# Altium PCB Evaluation Board.PcbDoc (part 2 of 22)
Units mm, origin at the board's own origin, x right, y up, seen from the top; angles counter-clockwise.
Board outline 200 x 200 mm, 4 copper layers (Top Layer, GND, Power, Bottom Layer), stack 1.56 mm thick; 639 components, 758 nets, 3043 pads, 1306 vias.
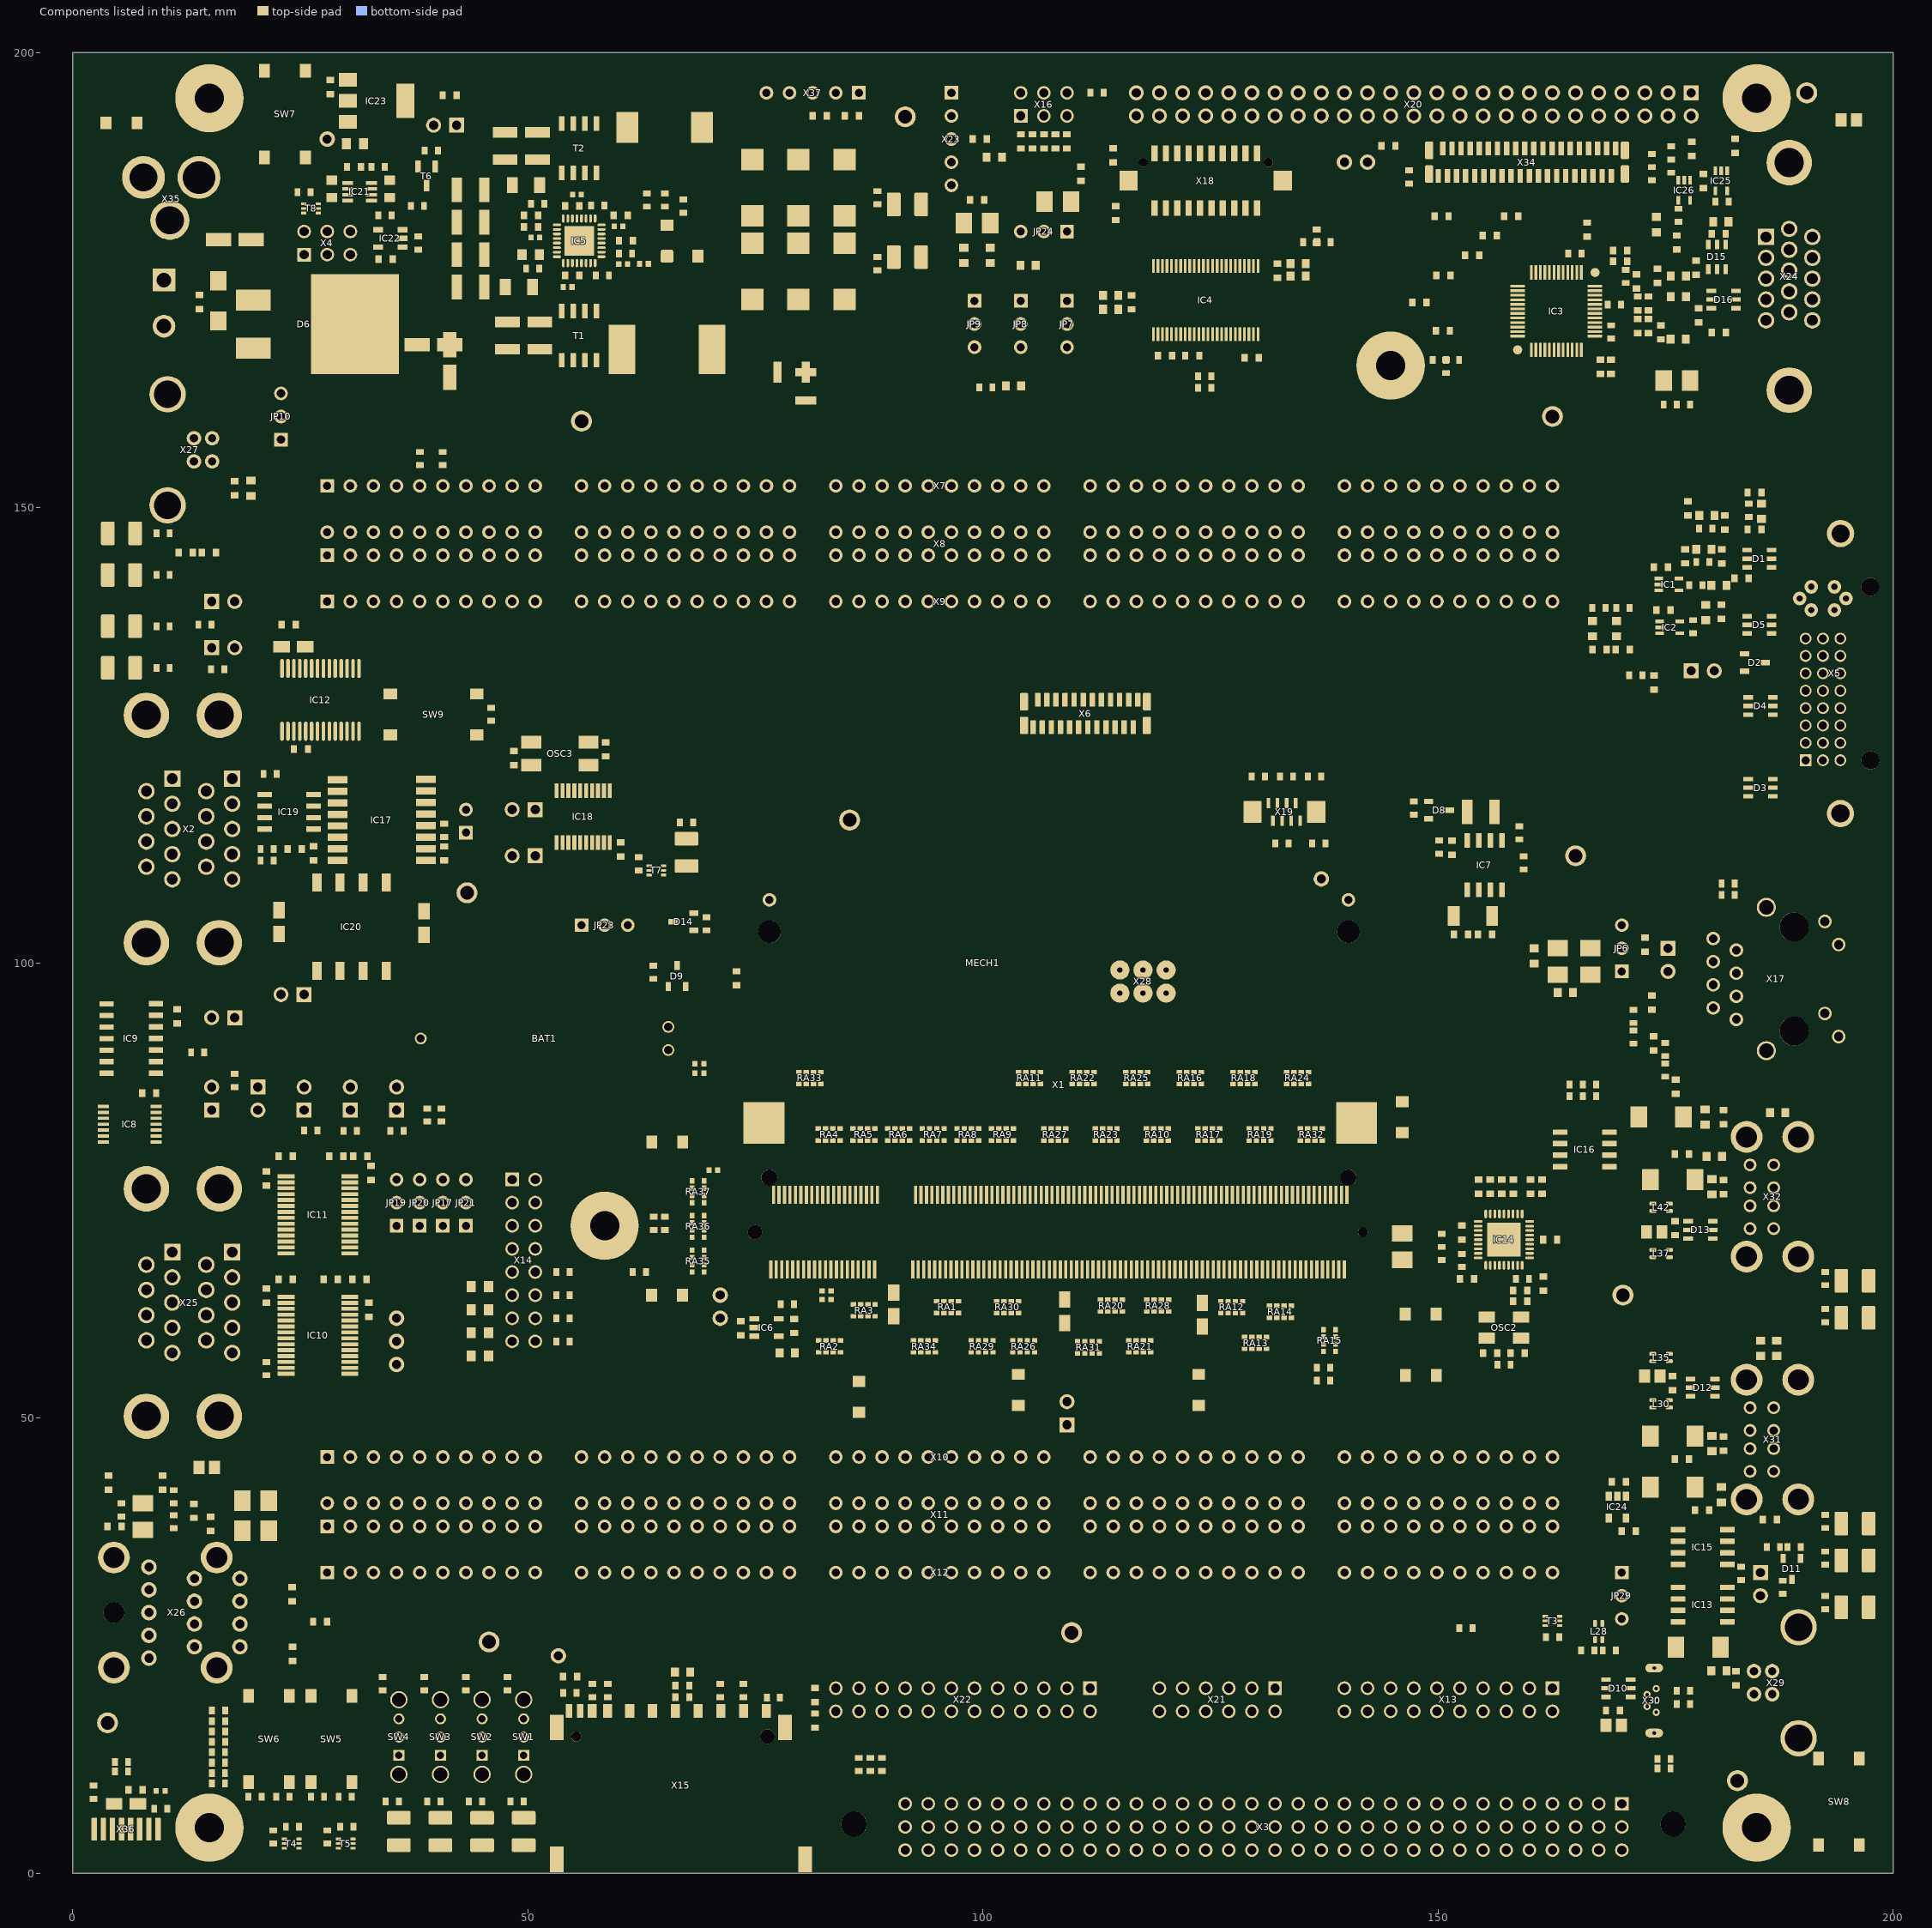
[diagram p4: the components of this part, seen from the top]

## Footprints (in the part's own frame and the unit in brackets; to place one, negate y for a bottom-side part, rotate by r counter-clockwise, add the part's x,y. Pads: shape width x height; smd on the part's side, far side on the other; paste and mask are expansions set on the pad) (continued)
QFP50P900X900X120-48N [mm]
  rect 1.6x0.3 smd: 1(-4.25,2.75) 2(-4.25,2.25) 3(-4.25,1.75) 4(-4.25,1.25) 5(-4.25,0.75) 6(-4.25,0.25) 7(-4.25,-0.25) 8(-4.25,-0.75) 9(-4.25,-1.25) 10(-4.25,-1.75) 11(-4.25,-2.25) 12(-4.25,-2.75) 25(4.25,-2.75) 26(4.25,-2.25) 27(4.25,-1.75) 28(4.25,-1.25) 29(4.25,-0.75) 30(4.25,-0.25) 31(4.25,0.25) 32(4.25,0.75) 33(4.25,1.25) 34(4.25,1.75) 35(4.25,2.25) 36(4.25,2.75)
  rect 0.3x1.6 smd: 13(-2.75,-4.25) 14(-2.25,-4.25) 15(-1.75,-4.25) 16(-1.25,-4.25) 17(-0.75,-4.25) 18(-0.25,-4.25) 19(0.25,-4.25) 20(0.75,-4.25) 21(1.25,-4.25) 22(1.75,-4.25) 23(2.25,-4.25) 24(2.75,-4.25) 37(2.75,4.25) 38(2.25,4.25) 39(1.75,4.25) 40(1.25,4.25) 41(0.75,4.25) 42(0.25,4.25) 43(-0.25,4.25) 44(-0.75,4.25) 45(-1.25,4.25) 46(-1.75,4.25) 47(-2.25,4.25) 48(-2.75,4.25)
  round 1 smd paste-1 mask+0: 49(-4.25,-4.25) 50(4.25,4.25)
  Top Layer pour cut-out: 5.25,4.25 5.249,4.306 5.244,4.362 5.236,4.418 5.225,4.473 5.211,4.527 5.194,4.58 5.174,4.633 5.151,4.684 5.126,4.734 5.097,4.782 5.066,4.829 5.032,4.874 4.996,4.917 4.957,4.957 4.917,4.996 4.874,5.032 4.829,5.066 4.782,5.097 4.734,5.126 4.684,5.151 4.633,5.174 4.58,5.194 4.527,5.211 4.473,5.225 4.418,5.236 4.362,5.244 4.306,5.249 4.25,5.25 4.194,5.249 4.138,5.244 4.082,5.236 4.027,5.225 3.973,5.211 3.92,5.194 3.867,5.174 3.816,5.151 3.766,5.126 3.718,5.097 3.671,5.066 3.626,5.032 3.583,4.996 3.543,4.957 3.504,4.917 3.468,4.874 3.434,4.829 3.403,4.782 3.374,4.734 3.349,4.684 3.326,4.633 3.306,4.58 3.289,4.527 3.275,4.473 3.264,4.418 3.256,4.362 3.251,4.306 3.25,4.25 3.251,4.194 3.256,4.138 3.264,4.082 3.275,4.027 3.289,3.973 3.306,3.92 3.326,3.867 3.349,3.816 3.374,3.766 3.403,3.718 3.434,3.671 3.468,3.626 3.504,3.583 3.543,3.543 3.583,3.504 3.626,3.468 3.671,3.434 3.718,3.403 3.766,3.374 3.816,3.349 3.867,3.326 3.92,3.306 3.973,3.289 4.027,3.275 4.082,3.264 4.138,3.256 4.194,3.251 4.25,3.25 4.306,3.251 4.362,3.256 4.418,3.264 4.473,3.275 4.527,3.289 4.58,3.306 4.633,3.326 4.684,3.349 4.734,3.374 4.782,3.403 4.829,3.434 4.874,3.468 4.917,3.504 4.957,3.543 4.996,3.583 5.032,3.626 5.066,3.671 5.097,3.718 5.126,3.766 5.151,3.816 5.174,3.867 5.194,3.92 5.211,3.973 5.225,4.027 5.236,4.082 5.244,4.138 5.249,4.194
  Top Layer pour cut-out: -3.25,-4.25 -3.251,-4.194 -3.256,-4.138 -3.264,-4.082 -3.275,-4.027 -3.289,-3.973 -3.306,-3.92 -3.326,-3.867 -3.349,-3.816 -3.374,-3.766 -3.403,-3.718 -3.434,-3.671 -3.468,-3.626 -3.504,-3.583 -3.543,-3.543 -3.583,-3.504 -3.626,-3.468 -3.671,-3.434 -3.718,-3.403 -3.766,-3.374 -3.816,-3.349 -3.867,-3.326 -3.92,-3.306 -3.973,-3.289 -4.027,-3.275 -4.082,-3.264 -4.138,-3.256 -4.194,-3.251 -4.25,-3.25 -4.306,-3.251 -4.362,-3.256 -4.418,-3.264 -4.473,-3.275 -4.527,-3.289 -4.58,-3.306 -4.633,-3.326 -4.684,-3.349 -4.734,-3.374 -4.782,-3.403 -4.829,-3.434 -4.874,-3.468 -4.917,-3.504 -4.957,-3.543 -4.996,-3.583 -5.032,-3.626 -5.066,-3.671 -5.097,-3.718 -5.126,-3.766 -5.151,-3.816 -5.174,-3.867 -5.194,-3.92 -5.211,-3.973 -5.225,-4.027 -5.236,-4.082 -5.244,-4.138 -5.249,-4.194 -5.25,-4.25 -5.249,-4.306 -5.244,-4.362 -5.236,-4.418 -5.225,-4.473 -5.211,-4.527 -5.194,-4.58 -5.174,-4.633 -5.151,-4.684 -5.126,-4.734 -5.097,-4.782 -5.066,-4.829 -5.032,-4.874 -4.996,-4.917 -4.957,-4.957 -4.917,-4.996 -4.874,-5.032 -4.829,-5.066 -4.782,-5.097 -4.734,-5.126 -4.684,-5.151 -4.633,-5.174 -4.58,-5.194 -4.527,-5.211 -4.473,-5.225 -4.418,-5.236 -4.362,-5.244 -4.306,-5.249 -4.25,-5.25 -4.194,-5.249 -4.138,-5.244 -4.082,-5.236 -4.027,-5.225 -3.973,-5.211 -3.92,-5.194 -3.867,-5.174 -3.816,-5.151 -3.766,-5.126 -3.718,-5.097 -3.671,-5.066 -3.626,-5.032 -3.583,-4.996 -3.543,-4.957 -3.504,-4.917 -3.468,-4.874 -3.434,-4.829 -3.403,-4.782 -3.374,-4.734 -3.349,-4.684 -3.326,-4.633 -3.306,-4.58 -3.289,-4.527 -3.275,-4.473 -3.264,-4.418 -3.256,-4.362 -3.251,-4.306
  silkscreen extent -4.92,-3.1 3.1,3.52, body extent -3.55,-3.55 3.55,3.55, height 1.6
RESC1005X40N [mm]
  rect 0.57x0.62 smd: 1(-0.48,0) 2(0.48,0)
  body extent -0.53,-0.28 0.53,0.28, height 0.35
RESC3316X76N [mm]
  rect 1.2x1.75 smd: 1(-1.5,0) 2(1.5,0)
  silkscreen extent -0.55,-0.8 0.55,0.8, body extent -1.73,-0.86 1.73,0.86, height 0.6
SOIC127P600X173-8N [mm]
  rect 1.6x0.6 smd: 1(-2.7,1.905) 2(-2.7,0.635) 3(-2.7,-0.635) 4(-2.7,-1.905) 5(2.7,-1.905) 6(2.7,-0.635) 7(2.7,0.635) 8(2.7,1.905)
  silkscreen extent -3.29,-2.45 1.57,2.61, body extent -2,-2.47 2,2.47, height 1.75
SOIC127P600X175-14N [mm] "SOIC 14 pin"
  rect 1.55x0.6 smd: 1(-2.7,3.8) 2(-2.7,2.53) 3(-2.7,1.26) 4(-2.7,-0.01) 5(-2.7,-1.28) 6(-2.7,-2.55) 7(-2.7,-3.82) 8(2.7,-3.8) 9(2.7,-2.53) 10(2.7,-1.26) 11(2.7,0.01) 12(2.7,1.28) 13(2.7,2.55) 14(2.7,3.82)
  silkscreen extent -4.01,-4.1 1.6,4.1, body extent -2,-4.38 2,4.38, height 1.6
SOP50P810X120-48N [mm]
  rect 1.5x0.3 smd: 1(-3.75,5.75) 2(-3.75,5.25) 3(-3.75,4.75) 4(-3.75,4.25) 5(-3.75,3.75) 6(-3.75,3.25) 7(-3.75,2.75) 8(-3.75,2.25) 9(-3.75,1.75) 10(-3.75,1.25) 11(-3.75,0.75) 12(-3.75,0.25) 13(-3.75,-0.25) 14(-3.75,-0.75) 15(-3.75,-1.25) 16(-3.75,-1.75) 17(-3.75,-2.25) 18(-3.75,-2.75) 19(-3.75,-3.25) 20(-3.75,-3.75) 21(-3.75,-4.25) 22(-3.75,-4.75) 23(-3.75,-5.25) 24(-3.75,-5.75) 25(3.75,-5.75) 26(3.75,-5.25) 27(3.75,-4.75) 28(3.75,-4.25) 29(3.75,-3.75) 30(3.75,-3.25) 31(3.75,-2.75) 32(3.75,-2.25) 33(3.75,-1.75) 34(3.75,-1.25) 35(3.75,-0.75) 36(3.75,-0.25) 37(3.75,0.25) 38(3.75,0.75) 39(3.75,1.25) 40(3.75,1.75) 41(3.75,2.25) 42(3.75,2.75) 43(3.75,3.25) 44(3.75,3.75) 45(3.75,4.25) 46(3.75,4.75) 47(3.75,5.25) 48(3.75,5.75)
  silkscreen extent -4.37,-6.25 2.68,6.52, body extent -3.1,-6.3 3.1,6.3, height 1.1
SOP65P780X200-28N [mm]
  rect 1.85x0.45 smd: 1(-3.5,4.225) 2(-3.5,3.575) 3(-3.5,2.925) 4(-3.5,2.275) 5(-3.5,1.625) 6(-3.5,0.975) 7(-3.5,0.325) 8(-3.5,-0.325) 9(-3.5,-0.975) 10(-3.5,-1.625) 11(-3.5,-2.275) 12(-3.5,-2.925) 13(-3.5,-3.575) 14(-3.5,-4.225) 15(3.5,-4.225) 16(3.5,-3.575) 17(3.5,-2.925) 18(3.5,-2.275) 19(3.5,-1.625) 20(3.5,-0.975) 21(3.5,-0.325) 22(3.5,0.325) 23(3.5,0.975) 24(3.5,1.625) 25(3.5,2.275) 26(3.5,2.925) 27(3.5,3.575) 28(3.5,4.225)
  silkscreen extent -4.27,-5.1 2.16,5.1, body extent -2.8,-5.25 2.8,5.25, height 2
SOT65P210X110-5N [mm]
  rect 0.95x0.4 smd: 1(-1.1,0.65) 2(-1.1,0) 3(-1.1,-0.65) 4(1.1,-0.65) 5(1.1,0.65)
  silkscreen extent -1.33,-1 0.3,1.27, body extent -0.7,-1.07 0.7,1.07, height 1.1
SOT95P230X110-3N [mm]
  rect 1x0.6 smd: 1(-1.15,0.95) 2(-1.15,-0.95) 3(1.15,0)
  silkscreen extent -1.4,-1.45 0.33,1.67, body extent -0.7,-1.5 0.7,1.5, height 1.12
SOT95P237X112-3N [mm] "SOT23, 3-Leads, Body 3.0x2.6mm (max), Pitch 0.95mm, IPC Medium Density"
  rect 1.3x0.6 smd: 1(-1.05,0.95) 2(-1.05,-0.95) 3(1.05,0)
  silkscreen extent -1.02,-1.5 0.7,1.93, body extent -0.7,-1.52 0.7,1.52, height 1.12
SOT95P279X142-5N [mm]
  rect 1.1x0.6 smd: 1(-1.35,0.95) 2(-1.35,0) 3(-1.35,-0.95) 4(1.35,-0.95) 5(1.35,0.95)
  silkscreen extent -1.61,-1.45 0.47,1.73, body extent -0.9,-1.52 0.9,1.52, height 1.1
SOTFL50P160X60-6N [mm]
  rect 0.57x0.3 smd: 1(-0.79,0.5) 2(-0.79,0) 3(-0.79,-0.5) 4(0.79,-0.5) 5(0.79,0) 6(0.79,0.5)
  silkscreen extent -0.99,-0.8 0,0.97, body extent -0.65,-0.85 0.65,0.85, height 0.6
T_3M_961105-6404-AR [mm] "Connector; Header; 35 Position"
  rect 1.5x1.5 hole 0.9: 1(0,0)
  round 1.5 hole 0.9: 2(2.54,0) 3(5.08,0) 4(7.62,0) 5(10.16,0)
  silkscreen extent -1.79,-1.27 11.34,1.27, body extent -1.27,-1.27 11.43,1.27, height 8.4
"T_ AMPHENOL_101-00708-64" [mm] "SD/MMC Card Holder"
  rect 1x1.5 smd: 1(20.59,17.3) 2(18.09,17.3) 3(15.59,17.3) 4(13.09,17.3) 5(10.59,17.3) 6(8.09,17.3) 7(5.67,17.3) 8(3.97,17.3) 9(23.09,17.3)
  rect 0.7x1.5 smd: 10(2.63,17.3) 11(1.43,17.3)
  rect 1.5x2.8 smd: S1(0.06,1) S2(27.36,1) S3(25.16,15.5) S4(0.06,15.5)
  round 1.1 hole 1.1 unplated: ""(2.21,14.5)
  round 1.6 hole 1.6 unplated: ""(23.21,14.5)
  body extent 0,0 27.39,16.5, height 2.85
T_AD_ADUM1300ARW [mm] "SOIC _W 16 pin"
  rect 2.2x0.8 smd: 1(-4.85,4.435) 2(-4.85,3.165) 3(-4.85,1.895) 4(-4.85,0.625) 5(-4.85,-0.645) 6(-4.85,-1.915) 7(-4.85,-3.185) 8(-4.85,-4.455) 9(4.85,-4.435) 10(4.85,-3.165) 11(4.85,-1.895) 12(4.85,-0.625) 13(4.85,0.645) 14(4.85,1.915) 15(4.85,3.185) 16(4.85,4.455)
  silkscreen extent -4.95,-5.38 3.48,5.47, body extent -3.8,-5.25 3.8,5.25, height 2.65
T_AUK_HDR15SN-H [mm] "15 pin male D-SUB connector"
  rect 1.8x1.8 hole 1.2: 1(19.73,13.97)
  round 1.8 hole 1.2: 2(17.44,13.97) 3(15.15,13.97) 4(12.86,13.97) 5(10.57,13.97) 6(20.62,11.43) 7(18.33,11.43) 8(16.04,11.43) 9(13.75,11.43) 10(11.46,11.43) 11(19.73,8.89) 12(17.44,8.89) 13(15.15,8.89) 14(12.86,8.89) 15(10.57,8.89)
  round 5 hole 3.2: S1(2.9,11.43) S2(27.9,11.43)
  silkscreen extent -0.2,0 31,16.5, body extent -0.01,-5.89 30.81,16.23, height 12.6
T_AUK_PJ3X01RF04B-H [mm] "Audio Jack Triple Stacked DIP Type"
  round 1.7 hole 1: 1(8.35,6.6) 2(8.35,11.6) 3(8.35,9.1) 4(8.35,4.1) 5(8.35,1.6) 22(13.35,10.35) 23(13.35,7.85) 24(13.35,5.35) 25(13.35,2.85) 32(18.35,10.35) 33(18.35,7.85) 34(18.35,5.35) 35(18.35,2.85)
  round 3.5 hole 2.3: S1(4.5,0.55) S2(4.5,12.65) S3(15.8,12.65) S4(15.8,0.55)
  round 2.3 hole 2.3 unplated: ""(4.5,6.6)
  silkscreen extent 0,-0.11 21.91,13.31, body extent -2.91,0 21.8,13.2, height 38.5
T_AUK_TB5102PRB-H [mm] "Power Connector 5.08mm pitch"
  rect 2.5x2.5 hole 1.6: 1(3.54,10)
  round 2.5 hole 1.6: 2(8.62,10)
  silkscreen extent -0.21,0 12.37,12.2, body extent -0.16,0 11.82,12, height 8.37
T_AUK_UC3X32SD-H [mm] "Header, 3x32 Pins, 2.54 mm pitch"
  rect 1.5x1.5 hole 1: A1(0,0)
  round 1.5 hole 1: A2(2.54,0) A3(5.08,0) A4(7.62,0) A5(10.16,0) A6(12.7,0) A7(15.24,0) A8(17.78,0) A9(20.32,0) A10(22.86,0) A11(25.4,0) A12(27.94,0) A13(30.48,0) A14(33.02,0) A15(35.56,0) A16(38.1,0) A17(40.64,0) A18(43.18,0) A19(45.72,0) A20(48.26,0) A21(50.8,0) A22(53.34,0) A23(55.88,0) A24(58.42,0) A25(60.96,0) A26(63.5,0) A27(66.04,0) A28(68.58,0) A29(71.12,0) A30(73.66,0) A31(76.2,0) A32(78.74,0) B1(0,2.54) B2(2.54,2.54) B3(5.08,2.54) B4(7.62,2.54) B5(10.16,2.54) B6(12.7,2.54) B7(15.24,2.54) B8(17.78,2.54) B9(20.32,2.54) B10(22.86,2.54) B11(25.4,2.54) B12(27.94,2.54) B13(30.48,2.54) B14(33.02,2.54) B15(35.56,2.54) B16(38.1,2.54) B17(40.64,2.54) B18(43.18,2.54) B19(45.72,2.54) B20(48.26,2.54) B21(50.8,2.54) B22(53.34,2.54) B23(55.88,2.54) B24(58.42,2.54) B25(60.96,2.54) B26(63.5,2.54) B27(66.04,2.54) B28(68.58,2.54) B29(71.12,2.54) B30(73.66,2.54) B31(76.2,2.54) B32(78.74,2.54) C1(0,5.08) C2(2.54,5.08) C3(5.08,5.08) C4(7.62,5.08) C5(10.16,5.08) C6(12.7,5.08) C7(15.24,5.08) C8(17.78,5.08) C9(20.32,5.08) C10(22.86,5.08) C11(25.4,5.08) C12(27.94,5.08) C13(30.48,5.08) C14(33.02,5.08) C15(35.56,5.08) C16(38.1,5.08) C17(40.64,5.08) C18(43.18,5.08) C19(45.72,5.08) C20(48.26,5.08) C21(50.8,5.08) C22(53.34,5.08) C23(55.88,5.08) C24(58.42,5.08) C25(60.96,5.08) C26(63.5,5.08) C27(66.04,5.08) C28(68.58,5.08) C29(71.12,5.08) C30(73.66,5.08) C31(76.2,5.08) C32(78.74,5.08)
  round 2.8 hole 2.8 unplated: ""(-5.63,2.24) ""(84.37,2.24)
  silkscreen extent -8.26,-2.88 86.99,7.96, body extent -8.13,-2.76 86.87,7.84, height 11.62
T_CAPC0603X33N [mm]
  rect 0.7x0.85 smd: 1(-0.775,0) 2(0.775,0)
  body extent -0.8,-0.4 0.8,0.4, height 0.9
T_CAPC0805X125N [mm]
  rect 1x1.2 smd: 1(-0.95,0) 2(0.95,0)
  body extent -1,-0.63 1,0.63, height 1.4
T_CAPMP3216X180N [mm]
  rect 1.8x1.25 smd: 1(-1.3,0) 2(1.3,0)
  silkscreen extent -2,-0.7 0,1.02, body extent -1.6,-0.8 1.6,0.8, height 1.6
T_DCJ20-0014TB-L [mm] "Header, 1x2 Pins, 2.54 mm pitch, male"
  round 4.7 hole 3.58: 1(0,13.85)
  round 4.7 hole 3.07: 2(0,7.75)
  round 4.3 hole 3.07: 3(4.7,10.65)
  silkscreen extent -4.7,0 7.16,16.52, body extent -4.5,0 4.7,14.4, height 10.7
T_FCI_61729-0010BLF [mm] "USB Type B Connectors"
  round 1.6 hole 0.92: 1(-15.3,-4.73) 2(-15.3,-7.27) 3(-13.3,-7.27) 4(-13.3,-4.73)
  round 4 hole 3: S1(-10.4,-12.1) S2(-10.4,0.1)
  silkscreen extent -16.64,-12.16 0.16,0.16, body extent -16.61,-13.43 -0.31,1.47, height 11.02
T_FIDUCIAL [mm] "Fiducial"
  Top Layer region: 0,-0.625 -0.375,-0.5 -0.625,-0.25 -0.625,0 0,0
  Top Layer region: 0.625,0 0,0 0,0.625 0.375,0.5 0.625,0.25
  Top Layer lines w0.203: 0,0.625 cw(c0,0) 0,-0.625 cw(c0,0) 0,0.625
T_Fiducial [mm] "Fiducial"
  Top Layer region: 0.625,0 0,0 0,0.625 0.375,0.5 0.625,0.25
  Top Layer region: 0,-0.625 -0.375,-0.5 -0.625,-0.25 -0.625,0 0,0
  Top Layer lines w0.203: 0,0.625 ccw(c0,0) 0,-0.625 ccw(c0,0) 0,0.625
T_FTDI_FT232RL [mm] "28-Pin SSOP 0.65 mm Pitch"
  oval 2.1x0.4 smd: 1(-3.45,4.225) 2(-3.45,3.575) 3(-3.45,2.925) 4(-3.45,2.275) 5(-3.45,1.625) 6(-3.45,0.975) 7(-3.45,0.325) 8(-3.45,-0.325) 9(-3.45,-0.975) 10(-3.45,-1.625) 11(-3.45,-2.275) 12(-3.45,-2.925) 13(-3.45,-3.575) 14(-3.45,-4.225) 15(3.45,-4.225) 16(3.45,-3.575) 17(3.45,-2.925) 18(3.45,-2.275) 19(3.45,-1.625) 20(3.45,-0.975) 21(3.45,-0.325) 22(3.45,0.325) 23(3.45,0.975) 24(3.45,1.625) 25(3.45,2.275) 26(3.45,2.925) 27(3.45,3.575) 28(3.45,4.225)
  silkscreen extent -3.57,-5.3 2,5.3, body extent -2.7,-5.3 2.7,5.3, height 2
T_GCT_FFC2A30-08-T-L [mm] "JTAG FFC Connector 0.5mm pitch vertical"
  rect 0.4x1.15 smd: 1(-1.75,0.975) 2(-1.25,-0.975) 3(-0.75,0.975) 4(-0.25,-0.975) 5(0.25,0.975) 6(0.75,-0.975) 7(1.25,0.975) 8(1.75,-0.975)
  rect 2x2.4 smd: S1(-3.5,0) S2(3.5,0)
  silkscreen extent -5.05,-1.75 5.05,2.22, body extent -4.8,-1 4.8,1, height 4.4
T_GCT_USB3105-30-A [mm] "Micro USB Connector Vertical"
  round 0.8 hole 0.4: 1(-1.3,0.22) 2(-0.65,-0.78) 3(0,0.22) 4(0.65,-0.78) 5(1.3,0.22)
  oval 0.95x1.95 hole 0.4 slot 1.4 at 90 deg: S1(-3.575,0) S2(3.575,0)
  silkscreen extent -3.25,-1.55 3.25,1.55, body extent -3.98,-1.45 3.98,1.48, height 5.62
T_HIROSE_DF13A-20DP-1.25V(56) [mm]
  rect 0.7x1.7 smd: 1(-5.625,3) 2(-5.625,-3) 3(-4.375,3) 4(-4.375,-3) 5(-3.125,3) 6(-3.125,-3) 7(-1.875,3) 8(-1.875,-3) 9(-0.625,3) 10(-0.625,-3) 11(0.625,3) 12(0.625,-3) 13(1.875,3) 14(1.875,-3) 15(3.125,3) 16(3.125,-3) 17(4.375,3) 18(4.375,-3) 19(5.625,3) 20(5.625,-3)
  rect 2x2.2 smd: ""(-8.475,0) ""(8.475,0)
  round 1 hole 1 unplated paste+0 mask+0: ""(-6.875,2) ""(6.875,2)
  silkscreen extent -9.04,-2.62 9.04,3.54, body extent -9.17,-3.45 9.18,3.45, height 4.8
T_Hirose_FH12-24S-0.5SV(55) [mm] "FFC Connector 0.5mm pitch Vertical"
  rrect12% 0.6x1.5 smd: 1(-5.75,-1.5) 2(-5.25,1.5) 3(-4.75,-1.5) 4(-4.25,1.5) 5(-3.75,-1.5) 6(-3.25,1.5) 7(-2.75,-1.5) 8(-2.25,1.5) 9(-1.75,-1.5) 10(-1.25,1.5) 11(-0.75,-1.5) 12(-0.25,1.5) 13(0.25,-1.5) 14(0.75,1.5) 15(1.25,-1.5) 16(1.75,1.5) 17(2.25,-1.5) 18(2.75,1.5) 19(3.25,-1.5) 20(3.75,1.5) 21(4.25,-1.5) 22(4.75,1.5) 23(5.25,-1.5) 24(5.75,1.5)
  rrect25% 0.9x1.9 smd: ""(-6.75,-1.3) ""(-6.75,1.3) ""(6.75,-1.3) ""(6.75,1.3)
  silkscreen extent -7.81,-3.86 7.81,2.46, body extent -7.7,-1.92 7.7,1.88, height 5.52
T_HIROSE_FH12-40S-0.5SV(55) [mm] "FFC Connector 0.5mm pitch Vertical"
  rrect12% 0.6x1.5 smd: 1(-9.75,-1.5) 2(-9.25,1.5) 3(-8.75,-1.5) 4(-8.25,1.5) 5(-7.75,-1.5) 6(-7.25,1.5) 7(-6.75,-1.5) 8(-6.25,1.5) 9(-5.75,-1.5) 10(-5.25,1.5) 11(-4.75,-1.5) 12(-4.25,1.5) 13(-3.75,-1.5) 14(-3.25,1.5) 15(-2.75,-1.5) 16(-2.25,1.5) 17(-1.75,-1.5) 18(-1.25,1.5) 19(-0.75,-1.5) 20(-0.25,1.5) 21(0.25,-1.5) 22(0.75,1.5) 23(1.25,-1.5) 24(1.75,1.5) 25(2.25,-1.5) 26(2.75,1.5) 27(3.25,-1.5) 28(3.75,1.5) 29(4.25,-1.5) 30(4.75,1.5) 31(5.25,-1.5) 32(5.75,1.5) 33(6.25,-1.5) 34(6.75,1.5) 35(7.25,-1.5) 36(7.75,1.5) 37(8.25,-1.5) 38(8.75,1.5) 39(9.25,-1.5) 40(9.75,1.5)
  rrect25% 0.9x1.9 smd: ""(-10.75,-1.3) ""(-10.75,1.3) ""(10.75,-1.3) ""(10.75,1.3)
  silkscreen extent -11.81,-3.95 11.81,2.46, body extent -11.7,-1.92 11.7,1.88, height 5.52
T_HORIZON-HEX24 [mm] "OSC"
  rect 1.8x1.2 smd: 1(-1.9,-1.15) 2(1.9,1.15) ""(-1.9,1.15) ""(1.9,-1.15)
  silkscreen extent -3.05,-2 3.05,2, body extent -2.6,-1.7 2.6,1.7, height 0.9
T_INDM102102X45N [mm]
  rect 3.4x2.4 smd: 1(0,-4.1) 2(0,4.1)
  silkscreen extent -5.52,-5.52 5.52,5.52, body extent -5.25,-5.25 5.25,5.25, height 4.5
T_INDM120120X80N [mm]
  rect 5.4x2.9 smd: 1(0,-4.95) 2(0,4.95)
  silkscreen extent -6.2,-6.2 6.2,6.2, body extent -6,-6 6,6, height 6
T_LAIRD_35F0121-0SR-10 [mm] "Power supply FB 10A"
  rect 2.77x1.47 smd: 1(-1.79,0) 2(1.79,0)
  silkscreen extent -2.73,-1.6 2.73,1.6, body extent -2.54,-1.53 2.54,1.53, height 3.05
T_LINEAR_LTC2954CTS8-2#PBF [mm]
  rect 0.4x1.22 smd: 1(-0.975,-1.31) 2(-0.325,-1.31) 3(0.325,-1.31) 4(0.975,-1.31) 5(0.975,1.31) 6(0.325,1.31) 7(-0.325,1.31) 8(-0.975,1.31)
  silkscreen extent -1.78,-1.42 1.56,0.47, body extent -1.45,-0.87 1.45,0.87, height 1
T_LITTLEFUSE_SMAJ30CA [mm] "Bidirectional ESD protection"
  rect 2.1x1.8 smd: 1(-2.2,0) 2(2.2,0)
  silkscreen extent -3.77,-1.35 2.55,1.35, body extent -2.25,-1.4 2.25,1.4, height 2.29
T_MC_CC4V-T1A [mm]
  rect 1.3x2.2 smd: 1(-2.1,0) 2(2.1,0)
  silkscreen extent -1.04,-1.02 1.04,1.02, body extent -2.5,-0.95 2.5,0.95, height 2.29
T_MC_MCP2515T-I/ST [mm] "TSSOP20"
  rect 0.45x1.6 smd: 1(-2.925,-2.85) 2(-2.275,-2.85) 3(-1.625,-2.85) 4(-0.975,-2.85) 5(-0.325,-2.85) 6(0.325,-2.85) 7(0.975,-2.85) 8(1.625,-2.85) 9(2.275,-2.85) 10(2.925,-2.85) 11(2.925,2.85) 12(2.275,2.85) 13(1.625,2.85) 14(0.975,2.85) 15(0.325,2.85) 16(-0.325,2.85) 17(-0.975,2.85) 18(-1.625,2.85) 19(-2.275,2.85) 20(-2.925,2.85)
  silkscreen extent -3.75,-2.97 3.3,1.65, body extent -3.3,-2.25 3.3,2.25, height 1.2
T_MILL-MAX_823-22-006-10-000101 [mm] "Pogo Pins"
  round 2.1 hole 0.6: 1(0,-1.27) 2(-2.54,-1.27) 3(2.54,1.27) 4(0,1.27) 5(-2.54,1.27) 6(2.54,-1.27)
  silkscreen extent -3.98,-2.7 3.98,2.7, body extent -3.81,-2.54 3.81,2.54, height 3.5
T_MMMC_896-43-008-90-000000 [mm] "USB 2.0 double row, Type A"
  round 1.4 hole 0.9: L1(3.75,13.13) L2(6.25,13.13) L3(8.25,13.13) L4(10.75,13.13) U1(3.75,15.73) U2(6.25,15.73) U3(8.25,15.73) U4(10.75,15.73)
  round 3.5 hole 2.3: S1(0.68,10.43) S2(0.674,16.11) S3(13.82,16.11) S4(13.82,10.43)
  silkscreen extent 0.87,-0.12 13.63,17.73, body extent -0.45,0 14.95,17.53, height 16.17
T_MOLEX_74320-1004 [mm] "DVI-Connectors"
  rect 1.3x1.3 hole 0.9: 1(8.89,9.63)
  round 1.3 hole 0.9: 2(10.8,9.63) 3(12.71,9.63) 4(14.62,9.63) 5(16.53,9.63) 6(18.44,9.63) 7(20.35,9.63) 8(22.26,9.63) 9(8.89,7.72) 10(10.8,7.72) 11(12.71,7.72) 12(14.62,7.72) 13(16.53,7.72) 14(18.44,7.72) 15(20.35,7.72) 16(22.26,7.72) 17(8.89,5.81) 18(10.8,5.81) 19(12.71,5.81) 20(14.62,5.81) 21(16.53,5.81) 22(18.44,5.81) 23(20.35,5.81) 24(22.26,5.81)
  round 1.5 hole 0.7: C1(25.39,9.01) C2(27.94,9.01) C3(25.39,6.46) C4(27.94,6.46) C5(26.665,5.185) C5(26.665,10.285)
  round 3 hole 2: X1(3.04,5.81) X2(33.79,5.785)
  round 2 hole 2 unplated paste+0 mask+0: ""(8.89,2.51) ""(27.94,2.51)
  silkscreen extent -0.36,0 37.18,11.87, body extent -0.33,-6.25 37.17,11.55, height 10.22
T_MURATA_DLW21SN900SQ2 [mm] "Common Mode Choke"
  rrect50% 0.75x0.42 smd: 1(-0.9,0.4) 2(-0.9,-0.4) 3(0.9,-0.4) 4(0.9,0.4)
  silkscreen extent -0.34,-0.55 0.34,0.55, body extent -1,-0.6 1,0.6, height 1.2
T_MURATA_NTE0505MC-R [mm] "Isolated DC/DC converter"
  rect 2x1 smd: 1(-4.85,3.81) 3(-4.85,1.27) 5(-4.85,-1.27) 7(-4.85,-3.81) 8(4.85,-3.81) 10(4.85,-1.27) 12(4.85,1.27) 14(4.85,3.81)
  silkscreen extent -5.03,-6.51 3.56,6.51, body extent -3.85,-6.35 3.85,6.35, height 6.6
T_NORCOMP_178-YYY-613R691 [mm] "0.750 Center Dual Port D-Sub - Male over Male"
  rect 1.8x1.8 hole 1.2: L1(9.754,10.922) U1(9.754,17.501)
  round 1.8 hole 1.2: L2(12.522,10.922) L3(15.291,10.922) L4(18.059,10.922) L5(20.828,10.922) L6(11.138,8.077) L7(13.906,8.077) L8(16.675,8.077) L9(19.444,8.077) U2(12.522,17.501) U3(15.291,17.501) U4(18.059,17.501) U5(20.828,17.501) U6(11.138,14.656) U7(13.906,14.656) U8(16.675,14.656) U9(19.444,14.656)
  round 5 hole 3.2: S1(2.794,8.077) S2(2.794,16.078) S3(27.788,16.078) S4(27.788,8.077)
  silkscreen extent -0.3,0 30.88,19.5, body extent -0.11,-6.1 30.7,19.3, height 31.79
T_ON_NCP603SN180T1G [mm] "SOT 23"
  rect 1x0.7 smd: 1(-1.2,0.95) 2(-1.2,0) 3(-1.2,-0.95) 4(1.2,-0.95) 5(1.2,0.95)
  silkscreen extent -1.61,-1.45 0.47,1.73, body extent -0.75,-1.5 0.75,1.5, height 1.1
T_ON_NCV4264-2ST50T3G [mm] "SO4"
  rect 2x1.5 smd: 1(-3.15,2.3) 2(-3.15,0) 3(-3.15,-2.3)
  rect 2x3.8 smd: 4(3.15,0)
  silkscreen extent -4.77,-3.43 1.8,3.43, body extent -1.85,-3.35 1.85,3.35, height 1.75
T_OSRAM_T670_GREEN [mm] "LED-Osram-T670"
  rrect20% 1.5x2.6 smd: A(-1.5,0) K(1.5,0)
  silkscreen extent -0.3,-1.4 3.05,1.4, body extent -1.85,-1.5 1.85,1.5, height 2.1
T_OSRAM_T670_RED [mm] "LED-Osram-T670"
  rrect20% 1.5x2.6 smd: A(-1.5,0) K(1.5,0)
  silkscreen extent -0.3,-1.4 3.05,1.4, body extent -1.85,-1.5 1.85,1.5, height 2.1
T_PULSE_J00-0065NL [mm] "RJ45 Connector"
  round 1.5 hole 0.95: 1(3.495,17.24) 2(4.765,19.78) 3(6.035,17.24) 4(7.305,19.78) 5(8.575,17.24) 6(9.845,19.78) 7(11.115,17.24) 8(12.385,19.78)
  round 1.5 hole 1.02: 9(1.615,5.99) 10(4.155,7.51) 11(11.725,5.99) 12(14.265,7.51)
  round 2.1 hole 1.63: S1(15.815,13.94) S2(0.065,13.94)
  round 3.2 hole 3.2: ""(2.225,10.89) ""(13.655,10.89)
  silkscreen extent -0.1,-0.1 15.98,21.94, body extent 0,0 15.88,21.84, height 13.32